# Altium PCB WatchX_TEST.PcbDoc
Units mil, origin at the board's own origin, x right, y up, seen from the top; angles counter-clockwise.
Board outline 3543.31 x 2254 mil, 2 copper layers (Top Layer, Bottom Layer); 112 components, 87 nets, 403 pads, 76 vias.
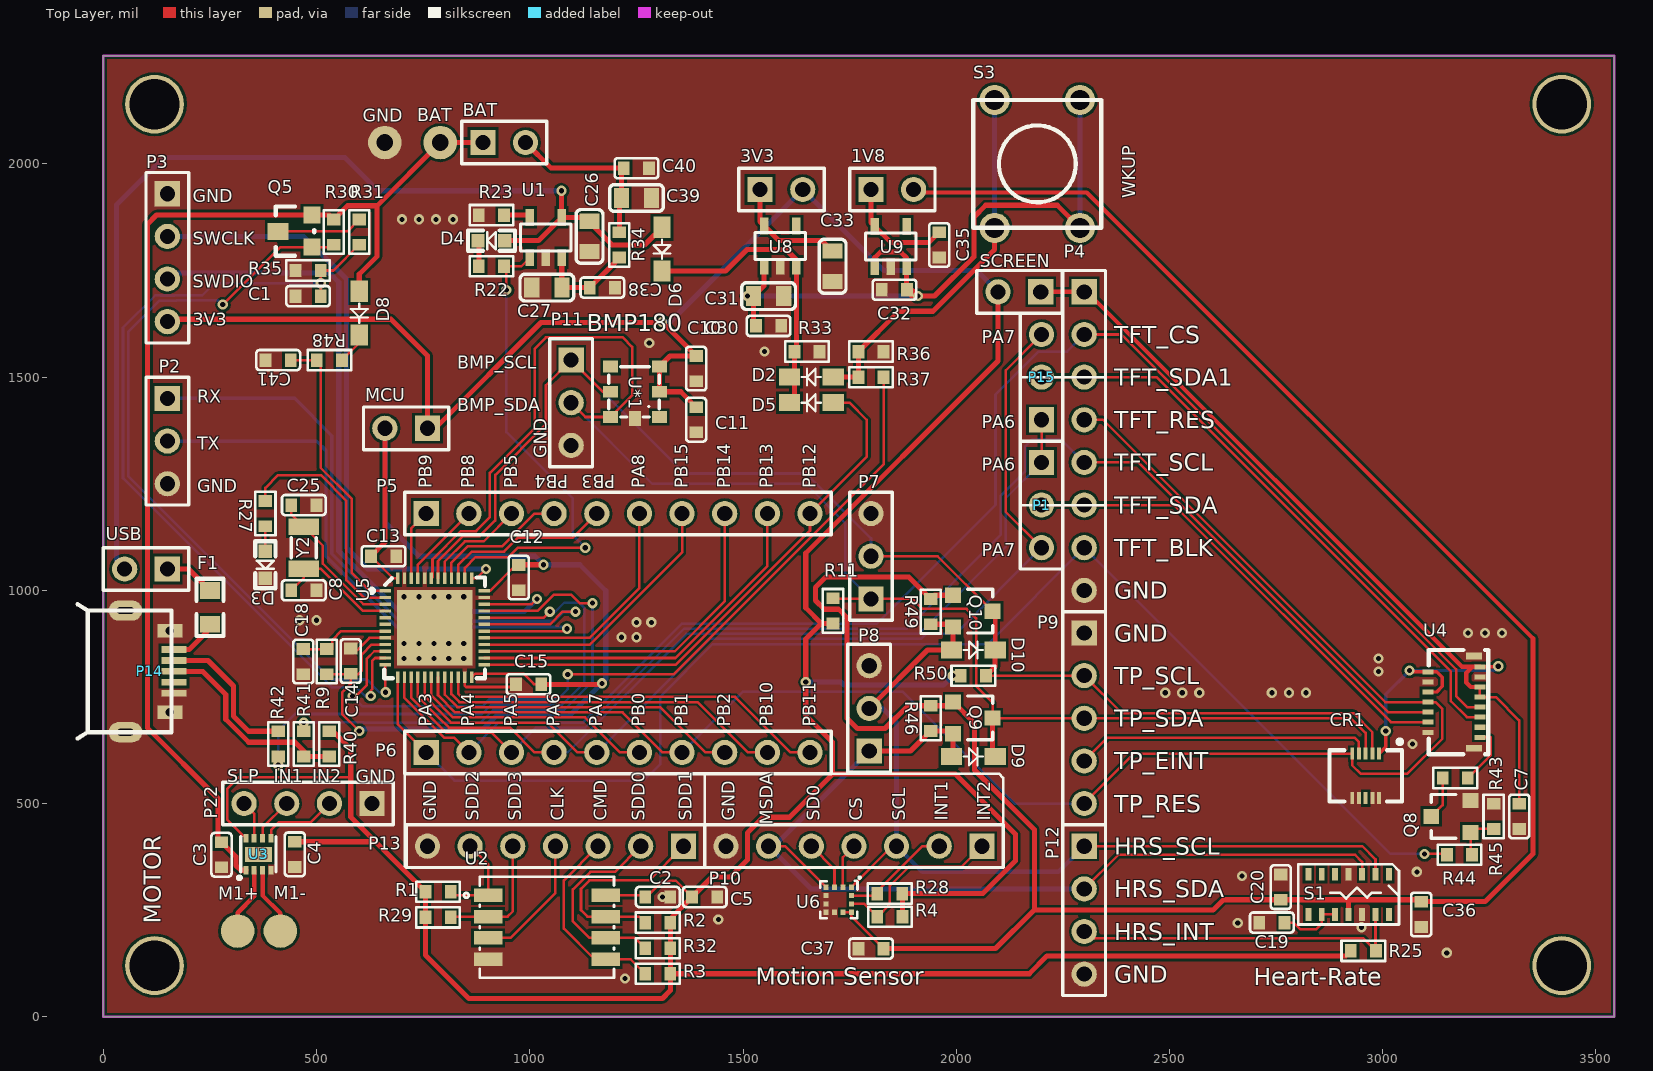
[diagram p0: Top Layer view]
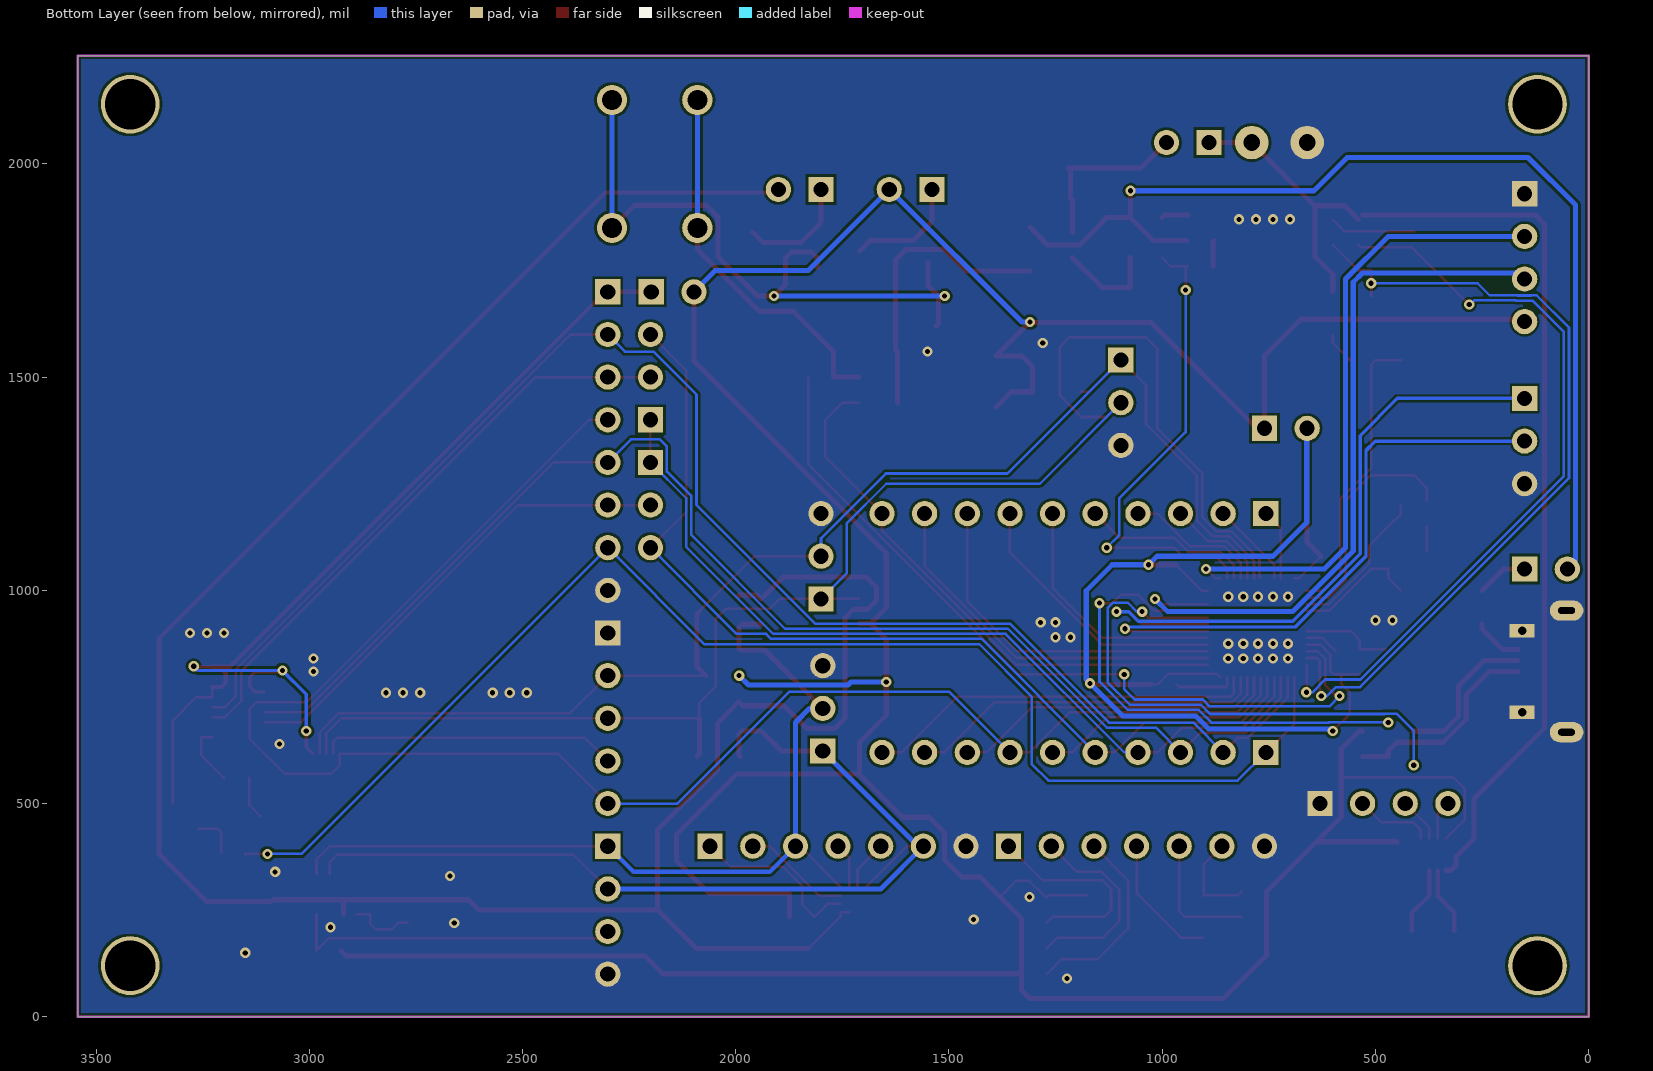
[diagram p1: Bottom Layer view, seen from below]
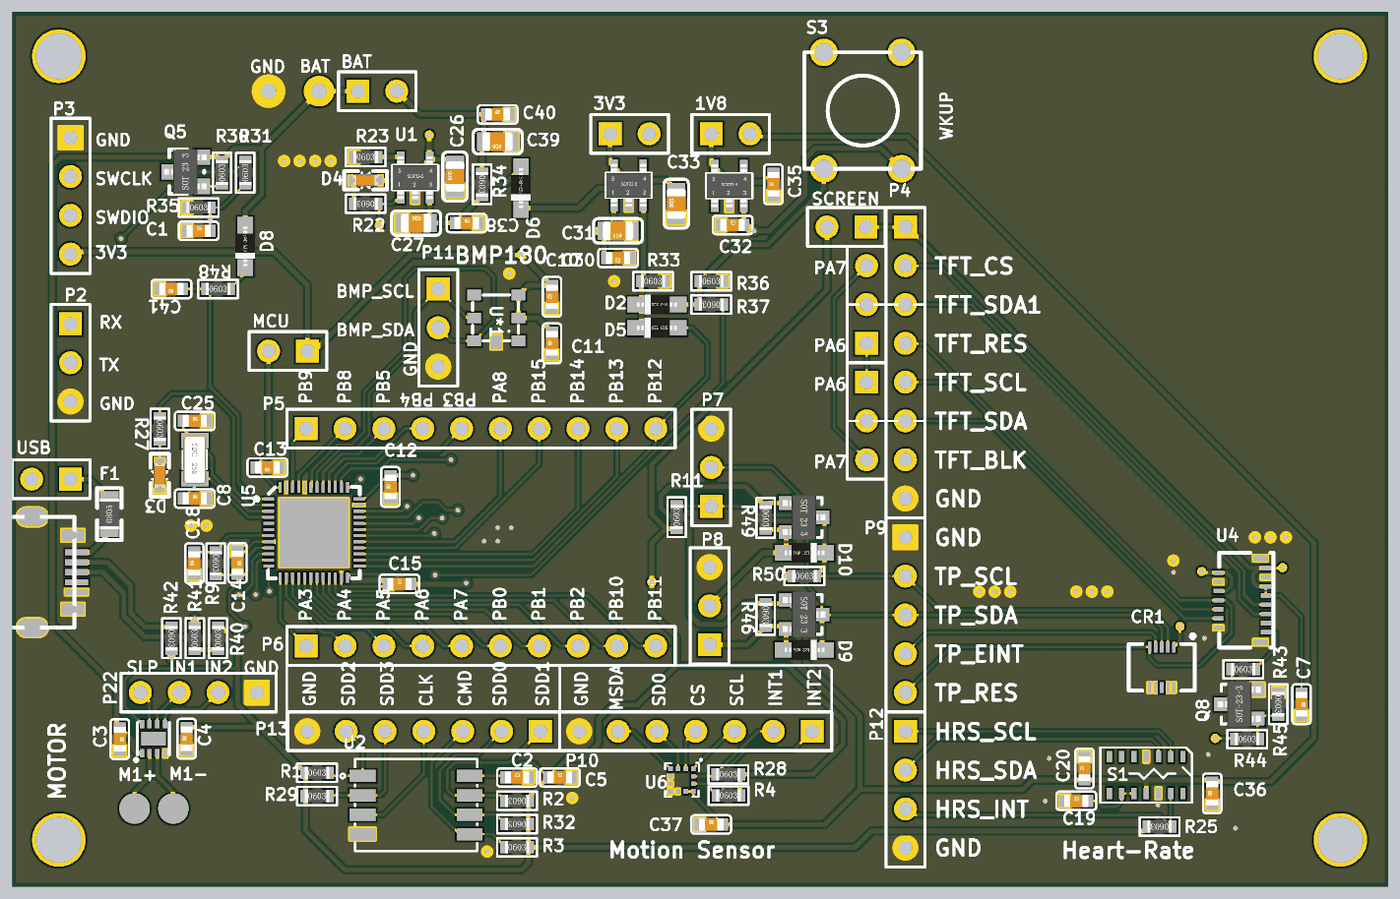
[diagram p2: 3D render of the assembled board from above, using the file's embedded part models]

## Layer stack, top to bottom
Top Solder: solder mask 0.4, Solder Resist, Dk 3.5
Top Layer: signal copper 1.4
Dielectric 1: dielectric 12.6, FR-4, Dk 4.8
Bottom Layer: signal copper 1.4
Bottom Solder: solder mask 0.4, Solder Resist, Dk 3.5

## Board outline
0,0 3543.31,0 3543.31,2254 0,2254

## Design rules (kind name [scope] priority, off if disabled: settings)
Clearance [All] p1: gap=6
ComponentClearance [All] p1 off: gap=10 collisioncheckmode=3 verticalgap=10 showdistances=FALSE
HoleSize [All] p1 off: absolutevalues=TRUE maxlimit=100 minlimit=1 maxpercent=80.000 minpercent=20.000
HoleToHoleClearance [All] p1 off: gap=10 allowstackedmicrovias=TRUE
LayerPairs [All] p1 off: enforce=TRUE
MinimumSolderMaskSliver [All] p1 off: minsoldermaskwidth=10
NetAntennae [All] p1 off: netantennaetolerance=0
PlaneConnect [All] p1: planeconnectstyle=Direct reliefexpansion=20 reliefentries=4 reliefconductorwidth=10 reliefairgap=10
PolygonConnect [All] p1: connectstyle=Direct reliefconductorwidth=10 reliefentries=4 polygonreliefangle="90 Angle" airgapwidth=10
RoutingVias [All] p1: holewidth=12 width=24 viastyle="Through Hole" minholewidth=12 minwidth=24 maxholewidth=12 maxwidth=24
SilkToSilkClearance [All] p1 off: silktosilkclearance=10
SilkToSolderMaskClearance [IsPad] p1 off: minsilkscreentomaskgap=10 clearancetoexposedcopper=TRUE
SolderMaskExpansion [All] p1: expansion=4
Width [All] p1: maxlimit=200 minlimit=6 preferedwidth=10
21 further rules are at their usual default settings.

## Components (designator, comment, footprint, x,y, rotation, side; value= is the part's Value field where it differs from the comment)
1V8 "Header 2" HDR1X2 1800,1940 r0 top (schematic designator P17)
3V3 "Header 2" HDR1X2 1540,1940 r0 top (schematic designator P16)
BAT "BAT" Pad_A 790,2050 r180 top (schematic designator Pad6)
BAT "Header 2" HDR1X2 890,2050 r0 top (schematic designator P19)
C1 "103" 电容_C0603 480,1690 r0 top
C2 "104" 电容_C0603 1300,281 r0 top
C3 "0.1uF" 电容_C0603 277,380 r270 top
C4 "0.1uF" 电容_C0603 449,381 r90 top
C5 "103" 电容_C0603 1410,281 r0 top
C7 "105" 电容_C0603 3320,470 r270 top
C8 "22pf" 电容_C0603 470,1000 r0 top
C10 "4.7uf" 电容_C0603 1390,1520 r90 top
C11 "104" 电容_C0603 1390,1400 r90 top
C12 "1uF" 电容_C0603 974,1030 r90 top
C13 "1uF" 电容_C0603 657,1080 r180 top
C14 "1uF" 电容_C0603 580,834 r270 top
C15 "1uF" 电容_C0603 997,780 r0 top
C18 "104" 电容_C0603 469,833 r90 top
C19 "104" 电容_C0603 2740,221 r0 top
C20 "105" 电容_C0603 2761,304 r90 top
C25 "22pf" 电容_C0603 470,1200 r0 top
C26 "4.7UF" 电容_C0805 1140,1830 r90 top
C27 "4.7UF" 电容_C0805 1040,1710 r0 top
C30 "104" 电容_C0603 1560,1620 r180 top
C31 "106" 电容_C0805 1560,1690 r180 top
C32 "105" 电容_C0603 1855,1705 r0 top
C33 "106" 电容_C0805 1710,1760 r90 top
C35 "105" 电容_C0603 1960,1810 r90 top
C36 "105" 电容_C0603 3090,240 r90 top
C37 "105" 电容_C0603 1800,160 r0 top
C38 "104" 电容_C0603 1170,1710 r0 top
C39 "106" 电容_C0805 1250,1920 r180 top
C40 "104" 电容_C0603 1250,1990 r0 top
C41 "104" 电容_C0603 410,1540 r180 top
CR1 "CR10P" "CONN RCPT 10POS 0.4MM" 2950,555 r180 top
D2 "1N4148" 二极管_SOD-323 1660,1500 r180 top
D3 "red" LED_0603 380,1060 r270 top
D4 "red" LED_0603 910,1820 r180 top
D5 "1N4148" 二极管_SOD-323 1660,1440 r180 top
D6 "1N4148" 二极管_SOD-323 1310,1800 r270 top
D8 "1N4148" 二极管_SOD-323 600,1650 r270 top
D9 "1N5819" 二极管_SOD-323 2040,610 r0 top
D10 "1N5819" 二极管_SOD-323 2040,860 r0 top
F1 "Fuse 1A，30V" 电阻_R0805 250,960 r90 top
GND "GND" Pad_A 660,2050 r180 top (schematic designator Pad1)
M1+ "M1-OUT1" Pad_B 315,201 r0 top
M1- "M1-OUT2" Pad_B 415,201 r0 top
MCU "Header 2" HDR1X2 760,1380 r180 top (schematic designator P18)
P1 "Header 3" HDR1X3 2200,1300 r270 top
P2 "Header 3" HDR1X3 150,1450 r270 top
P3 "Header 4" HDR1X4 150,1930 r270 top
P4 "Header 8" HDR1X8 2300,1700 r270 top
P5 "Header 10" HDR1X10 757,1180 r0 top
P6 "Header 10" HDR1X10 757,620 r0 top
P7 "Header 3" HDR1X3 1800,980 r90 top
P8 "Header 3" HDR1X3 1795.84,623.28 r90 top
P9 "Header 5" HDR1X5 2300,900 r270 top
P10 "Header 7" HDR1X7 2060,400 r180 top
P11 "Header 3" HDR1X3 1097,1540 r270 top
P12 "Header 4" HDR1X4 2300,400 r270 top
P13 "Header 7" HDR1X7 1360,400 r180 top
P14 "MICRO USB" "接插件_MICRO 牛角插座 USB 卷边" 160,810 r90 top
P15 "Header 3" HDR1X3 2200,1400 r90 top
P22 "Header 4" HDR1X4 630,500 r180 top
Q5 "MOSFET-P" SOT23 490,1800 r90 top
Q8 "S8050" 三极管_SOT-23 3160,470 r90 top
Q9 "SI2302" MOS_SOT-23 2038.9,701.1 r270 top
Q10 "SI2302" MOS_SOT-23 2038.9,951.1 r270 top
R1 "10K" 电阻_R0603 785,293 r0 top
R2 "10K" 电阻_R0603 1300,221 r180 top
R3 "10K" 电阻_R0603 1300,101 r0 top
R4 "4.7K" 电阻_R0603 1844.33,234.49 r0 top
R9 "10K" 电阻_R0603 524,833 r270 top
R11 "4.7K" 电阻_R0603 1711,952 r90 top
R22 "470R" 电阻_R0603 910,1760 r180 top
R23 "2K" 电阻_R0603 910,1880 r0 top
R25 "4.7K" 电阻_R0603 2954.49,154.49 r180 top
R27 "1K" 电阻_R0603 380,1180 r270 top
R28 "4.7K" 电阻_R0603 1844,289 r0 top
R29 "10K" 电阻_R0603 785,233 r0 top
R30 "20k" 电阻_R0603 540,1840 r90 top
R31 "20k" 电阻_R0603 600,1840 r90 top
R32 "10K" 电阻_R0603 1300,161 r180 top
R33 "300k" 电阻_R0603 1650,1560 r0 top
R34 "0.15R" 电阻_R0603 1210,1810 r270 top
R35 "40k" 电阻_R0603 480,1750 r0 top
R36 "30k" 电阻_R0603 1800,1560 r0 top
R37 "30k" 电阻_R0603 1800,1500 r180 top
R40 "1.5K" 电阻_R0603 530,640 r90 top
R41 "4.7K" 电阻_R0603 470,640 r90 top
R42 "4.7K" 电阻_R0603 410,640 r270 top
R43 "10R" 电阻_R0603 3170,560 r0 top
R44 "1K" 电阻_R0603 3180,380 r0 top
R45 "10K" 电阻_R0603 3260,470 r270 top
R46 "10K" 电阻_R0603 1940,700 r270 top
R48 "10k" 电阻_R0603 530,1540 r0 top
R49 "10K" 电阻_R0603 1940,950 r270 top
R50 "10K" 电阻_R0603 2040,800 r0 top
S1 "MAX30102" MAX30102 3014.49,334.49 r270 top
S3 "SW-PB" KEY_8*8mm 2190,1950 r0 top
SCREEN "Header 2" HDR1X2 2198,1700 r180 top (schematic designator P21)
U1 "MCP73831" SOT23-5 1000,1780 r0 top
U2 "SD" LGA-8_6*8mm2 1040,210 r0 top
U3 "DRV883x" WSON-8_2*2 364,381 r90 top
U4 "TFT" FPC-0.30mm-15P 3167,738 r90 top
U5 "AT32F403CGU6" AT主控_QFN48(6X6) 776.84,912.28 r0 top
U6 "LIS2DS12" LGA-12_L2.0-W2.0-P0.50-BL 1724.33,274.49 r180 top
U8 "LP5907-3.3" SOT23-5 1550,1760 r0 top
U9 "LP5907-1.8" SOT23-5 1808.9,1758.9 r0 top
U*1 "BMP180" LGA-7 1106.8,1367.16 r270 top
USB "Header 2" HDR1X2 150,1050 r180 top (schematic designator P20)
Y2 "32.768K" 晶振_3215 470,1100 r270 top

## Footprints (in the part's own frame and the unit in brackets; to place one, negate y for a bottom-side part, rotate by r counter-clockwise, add the part's x,y. Pads: shape width x height; smd on the part's side, far side on the other; paste and mask are expansions set on the pad)
AT主控_QFN48(6X6) [mm]
  rect 4.5x4.5 smd: 0(0,0)
  rect 0.7x0.2 smd: 1(-2.95,2.2) 2(-2.95,1.8) 3(-2.95,1.4) 4(-2.95,1) 5(-2.95,0.6) 6(-2.95,0.2) 7(-2.95,-0.2) 8(-2.95,-0.6) 9(-2.95,-1) 10(-2.95,-1.4) 11(-2.95,-1.8) 12(-2.95,-2.2) 25(2.95,-2.2) 26(2.95,-1.8) 27(2.95,-1.4) 28(2.95,-1) 29(2.95,-0.6) 30(2.95,-0.2) 31(2.95,0.2) 32(2.95,0.6) 33(2.95,1) 34(2.95,1.4) 35(2.95,1.8) 36(2.95,2.2)
  rect 0.2x0.7 smd: 13(-2.2,-2.95) 14(-1.8,-2.95) 15(-1.4,-2.95) 16(-1,-2.95) 17(-0.6,-2.95) 18(-0.2,-2.95) 19(0.2,-2.95) 20(0.6,-2.95) 21(1,-2.95) 22(1.4,-2.95) 23(1.8,-2.95) 24(2.2,-2.95) 37(2.2,2.95) 38(1.8,2.95) 39(1.4,2.95) 40(1,2.95) 41(0.6,2.95) 42(0.2,2.95) 43(-0.2,2.95) 44(-0.6,2.95) 45(-1,2.95) 46(-1.4,2.95) 47(-1.8,2.95) 48(-2.2,2.95)
  silkscreen extent -3.87,-3 3,3
"CONN RCPT 10POS 0.4MM" [mm] "板对板连接器"
  rect 0.23x0.7 smd: 1(-1.054,-1.579) 2(-0.654,-1.579) 3(-0.254,-1.579) 4(0.146,-1.579) 5(0.546,-1.579) 6(0.546,1.071) 7(0.146,1.071) 8(-0.254,1.071) 9(-0.654,1.071) 10(-1.054,1.071)
  silkscreen extent -2.41,-2.41 1.9,1.27
FPC-0.30mm-15P [mm] "FPC翻盖式 下接"
  rect 0.3x0.65 smd: 1(-2.1,-1.55) 2(-1.8,1.55) 3(-1.5,-1.55) 4(-1.2,1.55) 5(-0.9,-1.55) 6(-0.6,1.55) 7(-0.3,-1.55) 8(0,1.55) 9(0.3,-1.55) 10(0.6,1.55) 11(0.9,-1.55) 12(1.2,1.55) 13(1.5,-1.55) 14(1.8,1.55) 15(2.1,-1.55)
  rect 0.4x0.95 smd: 16(-2.75,-1.2) 17(2.75,-1.2)
  silkscreen extent -3.1,-2.05 3.1,1.5
HDR1X2 [mm] "Connector; Header; 2 Position"
  rect 1.5x1.5 hole 0.9: 1(0,0)
  round 1.5 hole 0.9: 2(2.54,0)
  silkscreen extent -1.27,-1.27 3.81,1.27
HDR1X3 [mm] "Connector; Header; 3 Position"
  rect 1.5x1.5 hole 0.9: 1(0,0)
  round 1.5 hole 0.9: 2(2.54,0) 3(5.08,0)
  silkscreen extent -1.27,-1.27 6.35,1.27
HDR1X4 [mm] "Connector; Header; 4 Position"
  rect 1.5x1.5 hole 0.9: 1(0,0)
  round 1.5 hole 0.9: 2(2.54,0) 3(5.08,0) 4(7.62,0)
  silkscreen extent -1.27,-1.27 8.89,1.27
HDR1X5 [mm] "Connector; Header; 5 Position"
  rect 1.5x1.5 hole 0.9: 1(0,0)
  round 1.5 hole 0.9: 2(2.54,0) 3(5.08,0) 4(7.62,0) 5(10.16,0)
  silkscreen extent -1.27,-1.27 11.43,1.27
HDR1X7 [mm] "Connector; Header; 7 Position"
  rect 1.5x1.5 hole 0.9: 1(0,0)
  round 1.5 hole 0.9: 2(2.54,0) 3(5.08,0) 4(7.62,0) 5(10.16,0) 6(12.7,0) 7(15.24,0)
  silkscreen extent -1.27,-1.27 16.51,1.27
HDR1X8 [mm] "Connector; Header; 8 Position"
  rect 1.5x1.5 hole 0.9: 1(0,0)
  round 1.5 hole 0.9: 2(2.54,0) 3(5.08,0) 4(7.62,0) 5(10.16,0) 6(12.7,0) 7(15.24,0) 8(17.78,0)
  silkscreen extent -1.27,-1.27 19.05,1.27
HDR1X10 [mm] "Connector; Header; 10 Position"
  rect 1.5x1.5 hole 0.9: 1(0,0)
  round 1.5 hole 0.9: 2(2.54,0) 3(5.08,0) 4(7.62,0) 5(10.16,0) 6(12.7,0) 7(15.24,0) 8(17.78,0) 9(20.32,0) 10(22.86,0)
  silkscreen extent -1.27,-1.27 24.13,1.27
KEY_8*8mm [mm]
  round 1.8 hole 1.2: 1(2.54,-2.54) 1(2.54,5.08) 2(-2.54,-2.54) 2(-2.54,5.08)
  silkscreen extent -3.81,-2.54 3.81,5.08
LED_0603 [mm]
  rect 0.8x0.8 smd paste-0.1: A(-0.8,0) K(0.8,0)
  silkscreen extent -1.4,-0.6 1.4,0.6, body extent -0.8,-0.4 0.82,0.4, height 0.6
LGA-7 [mm] "LGA-7Pin"
  rect 0.7x0.9 smd: 1(-1,5) 2(-2.5,5) 3(-4,5) 4(-4,2.1) 5(-2.5,2.1) 6(-1,2.1)
  rect 0.9x0.7 smd: 7(-0.9,3.55)
  silkscreen extent -4,2 -1,5
LGA-8_6*8mm2 [mm]
  rect 1.7x0.8 smd: 1(-3.5,1.905) 2(-3.5,0.635) 3(-3.5,-0.635) 4(-3.5,-1.905) 5(3.5,-1.905) 6(3.5,-0.635) 7(3.5,0.635) 8(3.5,1.905)
  silkscreen extent -4.94,-3 4,3
LGA-12_L2.0-W2.0-P0.50-BL [mm]
  rect 0.3x0.33 smd: 1(-0.75,-0.75) 2(-0.25,-0.75) 3(0.25,-0.75) 4(0.75,-0.75) 7(0.75,0.75) 8(0.25,0.75) 9(-0.25,0.75) 10(-0.75,0.75)
  rect 0.3x0.3 smd: 5(0.75,-0.25) 6(0.75,0.25) 11(-0.75,0.25) 12(-0.75,-0.25)
  silkscreen extent -1.3,-1.38 1.09,1.09
MAX30102 [mm] "血氧浓度传感器"
  rect 0.75x0.35 smd: 1(0,0) 2(0,-0.8) 3(0,-1.6) 4(0,-2.4) 5(0,-3.2) 6(0,-4) 7(0,-4.8) 8(2.4,-4.8) 9(2.4,-4) 10(2.4,-3.2) 11(2.4,-2.4) 12(2.4,-1.6) 13(2.4,-0.8) 14(2.4,0)
  silkscreen extent -0.6,-5.4 3,0.6
MOS_SOT-23 [mm]
  rect 0.9x0.95 smd: 1(-0.95,-1.175) 2(0,1.175) 3(0.95,-1.175)
  silkscreen extent -1.3,-0.3 1.3,1.18, body extent -1.45,-1.4 1.45,1.4, height 1.2
Pad_A [mm]
  round 2 hole 1: 1(0,0)
Pad_B [mm]
  round 2 smd: 1(0,0)
SOT23 [mil]
  rect 40x40 smd: 1(4.88,0.63) 3(79.88,0.63)
  rect 40x50 smd: 2(41.88,80.63)
  silkscreen extent -15,-4 100,86, body extent -15,-11 99,99, height 47
SOT23-5 [mm]
  rect 0.5x1 smd: 1(0,0) 2(0.95,0) 3(1.9,0) 4(1.9,2.4) 5(0,2.4)
  silkscreen extent -0.55,0.4 2.45,2, body extent -0.5,-0.2 2.4,2.6, height 1.09
WSON-8_2*2 [mil]
  rect 20.5x11.5 smd: 1(-37.4,29.5) 2(-37.4,10.5) 3(-37.4,-9.5) 4(-37.4,-29.5) 5(37.4,-29.5) 6(37.4,-9.5) 7(37.4,10.5) 8(37.4,29.5)
  rect 35.5x63.5 smd: 9(0,0.5)
  silkscreen extent -58,-41 41,48
三极管_SOT-23 [mm]
  rect 0.9x0.95 smd: 1(-0.95,-1.175) 2(0,1.175) 3(0.95,-1.175)
  silkscreen extent -1.3,-0.3 1.3,1.18, body extent -1.45,-1.4 1.45,1.4, height 1.2
二极管_SOD-323 [mil]
  rect 50x40 smd: A(-51.18,0) K(51.18,0)
  silkscreen extent -23,-20 23,20, body extent -51,-26 51,26, height 39
"接插件_MICRO 牛角插座 USB 卷边" [mm]
  oval 1.2x2 hole 0.4 slot 1 at 90 deg: 0(-3.625,2.75) 0(3.625,2.75)
  rect 0.8x1.5 hole 0.5: 0(-2.425,0.1) 0(2.425,0.1)
  rect 0.4x1.5 smd: 1(1.3,-0.15) 2(0.65,-0.15) 3(0,-0.15) 4(-0.65,-0.15) 5(-1.3,-0.15)
  silkscreen extent -4,0 4,5.6
晶振_3215 [mm] "XTAL SMD 3.2 x 1.5 mm"
  rect 1x1.8 smd: 1(-1.25,0) 2(1.25,0)
  silkscreen extent -0.6,-0.75 0.6,0.75, body extent -1.6,-0.75 1.6,0.75, height 0.81
电容_C0603 [mm]
  rect 0.7x0.8 smd: 1(-0.75,0) 2(0.75,0)
  silkscreen extent -1.3,-0.6 1.3,0.6, body extent -0.8,-0.4 0.8,0.4, height 0.3
电容_C0805 [mm]
  rect 0.9x1.2 smd: 1(-0.9,0) 2(0.9,0)
  silkscreen extent -1.6,-0.8 1.6,0.8, body extent -1,-0.62 1,0.63, height 0.77
电阻_R0603 [mm]
  rect 0.7x0.8 smd: 1(-0.75,0) 2(0.75,0)
  silkscreen extent -1.3,-0.6 1.3,0.6, body extent -0.8,-0.4 0.8,0.4, height 0.45
电阻_R0805 [mm]
  rect 1x1.2 smd: 1(-1,0) 2(1,0)
  silkscreen extent -1.7,-0.8 1.7,0.8, body extent -1,-0.63 1,0.63, height 0.55

## Part data
1V8 3V3 BAT MCU SCREEN USB: "Header, 2-Pin"
BAT GND M1+ M1-: library part Pad
C1 C2 C3 C4 C5 C7 C8 C10 C11 C12 C13 C14 C15 C18 C19 C20 C25 C26 C27 C30 C31 C32 C33 C35 C36 C37 C38 C39 C40 C41: library part cap
CR1: library part "CONN RCPT 10P", "板对板连接器"
D2 D5 D6 D8 D9 D10: library part Diode
D3 D4: library part LED
F1: library part "Fuse 1", "Fuse"
P1 P2 P7 P8 P11 P15: "Header, 3-Pin"
P3 P12 P22: "Header, 4-Pin"
P4: "Header, 8-Pin"
P5 P6: "Header, 10-Pin"
P9: "Header, 5-Pin"
P10 P13: "Header, 7-Pin"
P14: library part "MICRO USB 5PIN"
Q5: "P-Channel MOSFET"
Q8: library part Triode-NPN
Q9 Q10: library part MOSFET-N
R1 R2 R3 R4 R9 R11 R22 R23 R25 R27 R28 R29 R30 R31 R32 R33 R34 R35 R36 R37 R40 R41 R42 R43 R44 R45 R46 R48 R49 R50: library part Res
S1: "血氧浓度传感器"
S3: "按键"
U1: "线性充电管理控制器"
U2: library part SDNAND
U4: library part TFT_IPS1-1.54寸240*240-AML015410V1, "IPS电容式触摸屏"
U6: "运动传感器"
U8 U9: library part LP5907, "LDO"
U*1: "数字气压传感器"
Y2: library part XTAL_A

## Free pads (board coordinates)
  round 137.8 hole 118.11: 2(120,2140) 3(3420,2140) 4(3420,120) 5(120,120)

## Via types
v1: diameter 24, hole 12, Top Layer to Bottom Layer, tented both sides, 46 vias
v2: diameter 24, hole 12, Top Layer to Bottom Layer, 30 vias

## Nets (pads, with @x,y where several pads share a name; then routed paths per layer and width w, separated by ;. In a path a pad name is that pad's centre, name@x,y a point inside that pad or via, vN(x,y) a via of type N, cw(c..) or ccw(c..) an arc to the next point about the centre after c; other vN are vias at no path point)
1.8V: 1V8.2 C20.1 C36.2 C37.2 Q9.1 Q10.1 R46.1 R49.1 S1.11 U6.9 U6.10 | length 5744.8
  Top Layer w6: U6.9 U6.10 1753.86,235.67 C37.2
  Top Layer w10: 1V8.2 1907,1933 2306,1933 3352,887
  Top Layer w12: C37.2 2092,160 2182,250 2602,250 2626.47,274.47 C20.1 2920,274.47 ; Q10.1 1948.98,988.5 R49.1 1888.53,1031 1694,1031 1670,1007 1670,976.03 1690.28,955.75 1724.25,955.75 1744,936 1744,700 1768,676 1833,676 1886.53,729.53 R46.1 1983.66,729.53 Q9.1 2043,688.14 2043,579 2183,439 2183,254 ; S1.11 2920,274.47 ; 3352,887 3352,382 3240,270 3089.53,270 3085.06,274.47 2920,274.47
3V3: 3V3.2 C2.1 C4.2 C5.1 C10.2 C11.2 MCU.1 P3.4 R1.1 R2.1 R3.2 R4.2 R11.1 R25.2 R28.2 R29.1 R32.1 R40.2 R50.1 SCREEN.2 U2.8 U3.8 U*1.2 U*1.3 | length 9972.6
  Top Layer w6: U3.8 290,462.9 290,534 318,562 577,562 580,565 ; U2.8 1266.47,285 C2.1 1274,281 1312,319 1342.47,319 C5.1
  Top Layer w12: P3.4 150,1635.82 674.18,1635.82 760,1550 MCU.1 778,1380 1026,1628 1311.53,1628 C10.2 1328.54,1549.53 U*1.3 U*1.2 1353.94,1465.58 C11.2 ; C4.2 637.94,410.53 ; R40.2 538.47,669.53 580,628 580,565 580,468.47 637.94,410.53 ; R11.1 1683.53,922.47 ; R4.2 1873.53,234.82 R28.2 2062,289 2139,366 2139,428 1998,569 1710,569 ; SCREEN.2 2098,1538 1647,1087 1647,959 1683.53,922.47 ; R25.2 2913.47,143 2213,143 2171,101 R3.2 ; 637.94,410.53 R1.1 R29.1 755.47,144.53 857,43 1311,43 1329.53,61.53 R3.2 ; R3.2 R32.1 R2.1 1329.53,230.06 C5.1 1427.47,328 1470,328 1510,368 1510,431 1547,468 1609,468 1710,569 ; 1683.53,922.47 1647,885.94 1647,707 1710,644 1710,569
  Bottom Layer w12: v2(1310,1629) 1329,1629 3V3.2 1830,1750 2048,1750 SCREEN.2 ; v2(1647,785) 1730,785 1737,778 1970,778 v2(1992,800)
ASCL: CR1.2 D10.K P7.2 P9.2 P11.1 Q10.2 R50.2 U5.42 U*1.5 | length 3217.6
  Top Layer w6: U5.42 784.72,1068.69 843.03,1127 882,1127 918.47,1163.47 918.47,1196.49 919,1197.01 919,1271 1038,1390 1038,1481 P11.1 1171.42,1465.58 U*1.5 ; P7.2 1956.26,1080 Q10.2 ; R50.2 P9.2 2388,712 2930.97,712 2975.75,667.22 CR1.2
  Top Layer w10: Q10.2 2091.18,945.08 D10.K
  Top Layer w12: R50.2 2091.18,821.65 D10.K
  Bottom Layer w6: P11.1 1363,1274 1648,1274 1800,1122 P7.2
ASDA: CR1.3 D9.K P7.1 P9.3 P11.2 Q9.2 R11.2 U5.43 U*1.6 | length 3798.2
  Top Layer w6: U5.43 771.78,1031.24 771.78,1072.72 838.06,1139 874,1139 906.47,1171.47 906.47,1275.44 1012,1380.97 1012,1567 1038,1593 1218,1593 1240,1571 1240,1457.06 U*1.6 1130.47,1406.53 P11.2 ; R11.2 1712.53,980 P7.1 1897.27,980 1920.52,956.75 2024.25,956.75 2046.75,934.25 2046.75,775.25 2085.16,736.84 Q9.2 2086.26,700 P9.3 2926,700 2960,666 CR1.3
  Top Layer w12: Q9.2 2085.16,616.02 D9.K
  Bottom Layer w6: P11.2 1287,1250 1647,1250 1740,1157 1740,1040 P7.1
BAT: BAT.1 C3.1 D8.A Q5.3 R30.2 U3.1 | length 2696
  Top Layer w12: U3.1 322.4,343.6 311,355 311,375.53 C3.1 269,417.53 269,512 103.1,677.9 103.1,1858.1 124.88,1879.88 Q5.3 R30.2@529.65,1879.88 ; R30.2 572.47,1902 642,1902 ; D8.A 600,1741.18 642,1783.18 642,1902 ; BAT.1@890,2050 790,2050 642,1902
BAT_CHG: R22.1 U1.1 U5.38 | length 1133.8
  Top Layer w6: U5.38 847.71,1052.71 873,1078 950.22,1078 972.22,1100 v1(1130,1100) ; v2(945,1704) 945,1754.53 R22.1 980,1760 U1.1
  Bottom Layer w6: v2(945,1704) 945,1371 1101,1215 1101,1129 v1(1130,1100)
BAT_DET: C1.2 R31.1 R35.2 U5.11 | length 1945.7
  Top Layer w6: C1.2 R35.2 539.53,1750 R31.1 ; v1(627,752) 627,765 630,768 630,834 637.42,841.42 U5.11
  Bottom Layer w6: v1(510,1720) 260,1720 232,1692 166.49,1692 165.96,1691.47 134.04,1691.47 133.51,1692 122,1692 46,1616 46,1263.03 536.03,773 592.7,773 613.7,752 v1(627,752)
BAT_DET_EN: Q5.1 R30.1 U5.12 | length 1793
  Top Layer w6: v1(280,1670) 414.88,1804.88 Q5.1 534.41,1804.88 R30.1 ; U5.12 660.7,762.3 v1(662,761)
  Bottom Layer w6: v1@280,1668 268,1680 171.46,1680 170.93,1679.47 131.47,1679.47 58,1606 58,1268 535,791 617.7,791 647.7,761 v1(662,761)
BSCL: D10.A P8.2 P10.3 P12.1 Q10.3 R49.2 S1.2 U6.1 | length 2094.2
  Top Layer w6: U6.1 1849.84,400 P10.3 ; P12.1 2952,400 2982.99,369.01 S1.2
  Top Layer w12: P8.2 1932.56,860 D10.A 1992.64,863.82 Q10.3 1985.87,920.47 R49.2
  Bottom Layer w10: P10.3 1920,340 2240,340 P12.1
  Bottom Layer w12: P8.2 1826.72,723.28 1860,690 P10.3
BSDA: D9.A P8.1 P10.6 P12.2 Q9.3 R46.2 S1.3 U6.4 | length 2279.2
  Top Layer w6: P10.6 1598.82,400 U6.4 ; P12.2 2380,380 2935,380 2951.5,363.5 S1.3
  Top Layer w12: P8.1 1892.81,623.28 R46.2 1985.87,670.47 Q9.3 1992.64,613.82 D9.A
  Bottom Layer w12: P8.1 1572.56,400 P10.6 1660,300 P12.2
GND: C1.1 C2.2 C3.2 C4.1 C5.2 C7.2 C8.2 C10.1 C11.1 C12.1 C13.1 C14.1 C15.1 C18.1 C19.1 C20.2 C25.2 C26.1 C27.1 C30.1 C31.1 C32.1 C33.1 C35.1 C36.1 C37.1 C38.2 C39.1 C40.2 C41.2 CR1.6 CR1.7 CR1.9 CR1.10 D3.K GND.1 P2.3 P3.1 P4.8 P7.3 P8.3 P9.1 P10.7 P11.3 P12.4 P13.7 P14.0 P14.5 P22.1 Q8.3 R23.1 R33.2 R35.1 R36.2 R45.1 S1.4 S1.12 U1.2 U2.4 U3.4 U4.2 U4.12 U4.13 U4.16 U4.17 U5.0 U5.8 U5.23 U5.35 U5.44 U5.47 U6.5 U6.6 U6.7 U6.8 U8.2 U9.2 U*1.7 | length 223.6
  Top Layer w6: C14.1@593.28,858.25 623.69,888.66 U5.8 ; U5.23 847.71,776.29 850.64,773.36 960.83,773.36 C15.1
  other v1: 3150,150 2950,210 2660,220 2670,330 3080,340 3070,640 2990,810 705,840 740,840 775,840 810,840 845,840 705,875 740,875 775,875 810,875 845,875 1215,890 1250,890 1250,925 1285,925 705,985 740,985 775,985 810,985 845,985
  other v2: 1223,90 1442,228 1311,281 2490,760 2530,760 2570,760 2740,760 2780,760 2820,760 2990,840 3200,900 3240,900 3280,900 460,930 500,930 1550,1560 1280,1580 700,1870 740,1870 780,1870 820,1870
HRS_INT: P12.3 R25.1 S1.13 | length 785.9
  Top Layer w6: P12.3 2316,184 2954.5,184 2982.99,155.51 S1.13
KEY1: R37.1 U5.10 | length 1871.9
  Top Layer w6: v1(584,752) 592,752 618,778 618,840 635.17,857.17 U5.10 ; v1(1089,803) 1336.91,803 1829.53,1295.62 R37.1
  Bottom Layer w6: v1(584,752) 608,728 888.63,728 904.63,744 1064.7,744 1089,768.3 v1(1089,803)
LED: R27.1 U5.2 | length 551.4
  Top Layer w6: R27.1 380,1240 410,1270 510,1270 570,1210 570,1023.94 610.79,983.15 U5.2
LIS_CS: P10.4 U6.2 | length 106.7
  Top Layer w6: U6.2 1734.17,374.17 P10.4
LIS_INT1: P10.2 R28.1 U6.12 | length 254.1
  Top Layer w6: U6.12 1804.64,284.33 1814.8,294.49 1920.31,400 P10.2
LIS_INT2: P10.1 R4.1 U6.11 | length 412.4
  Top Layer w6: U6.11 1784.65,264.64 R4.1 1844,263.68 1844,306.71 1889.14,351.86 2011.86,351.86 P10.1
LIS_SD0: P10.5 U6.3 | length 118.6
  Top Layer w6: P10.5 1714.49,345.51 U6.3
M1-IN1: P22.3 U3.6 | length 105
  Top Layer w6: U3.6 373.5,443.5 P22.3
M1-IN2: P22.2 U3.5 | length 182.1
  Top Layer w6: U3.5 393.5,438.5 411,456 486,456 P22.2
M1-SLP: P22.4 U3.7 | length 91.3
  Top Layer w6: P22.4 353.5,476.5 U3.7
MCU_RX: P2.1 U5.31 | length 1571
  Top Layer w6: U5.31 1046.86,920.16 1076.7,950 v1(1107,950)
  Bottom Layer w8: P2.1 449,1450 536,1363 536,1085.92 693.92,928 1056.11,928 1078.11,950 v1(1107,950)
MCU_TX: P2.2 U5.30 | length 1437.8
  Top Layer w6: U5.30 1081.41,904.41 v1(1087,910)
  Bottom Layer w8: P2.2@173,1350 500,1350 522,1328 522,1080.12 688.12,914 1083,914 v1(1087,910)
MCU_VCC: C12.2 C13.2 C14.2 C15.2 MCU.2 R9.2 U5.9 U5.24 U5.36 U5.48 | length 2850.8
  Top Layer w6: R9.2@536.84,802.76 C14.2@580,802.76 ; C14.2 C14.2@580,802.76 ; v1(600,670) 560,710 560,760 580,780 C14.2@580,802.76 ; C13.2 679.05,1028.43 U5.48 ; U5.9 628.91,872.91 606,850 606,811.91 596.84,802.76 C14.2@580,802.76 ; U5.24 872.06,804.75 984.98,804.75 1009.73,780 C15.2 ; U5.36 906.37,998.9 C12.2@967,1059.53
  Top Layer w12: C13.2 660,1112.53 MCU.2 ; C12.2@967,1059.53 967.47,1060 v1(1032,1060) ; C15.2 1027.53,779 1166,779 v1(1169,782)
  Bottom Layer w12: v1@605,675 890.79,675 920.79,705 1092,705 v1(1169,782) 1178,791 1178,999 1117,1060 v1(1032,1060) 1012,1080 740,1080 661,1159 MCU.2@661,1380
NetC19_2: C19.2 S1.9 S1.10 | length 153
  Top Layer w6: C19.2 2791,221 2807,205 2844,205 2857.01,218.01 S1.9 S1.10
NetC27_2: C27.2 C38.1 R34.2 U1.3 | length 234.6
  Top Layer w12: U1.3 1074.8,1710.63 C27.2 C38.1 1210,1779.53 R34.2
NetC33_2: 3V3.1 C33.2 U8.5 | length 274.1
  Top Layer w12: 3V3.1 1540,1864.49 U8.5 1584.49,1820 1685.43,1820 C33.2
NetC35_2: 1V8.1 C35.2 U9.5 | length 266.6
  Top Layer w12: 1V8.1 1800,1862.28 U9.5 1846.28,1816 1936.47,1816 C35.2
NetC39_2: BAT.2 C39.2 C40.1 R34.1 | length 410.1
  Top Layer w12: BAT.2 1050,1990 C40.1 1214.57,1984.09 C39.2 1210,1915.43 R34.1
NetD2_A: D2.A R36.1 R37.2 S3.2 | length 888.8
  Top Layer w12: D2.A R37.2 R36.1 1864.85,1654.38 1945.38,1654.38 2090,1799 S3.2@2090,1850
  Bottom Layer w12: S3.2@2090,1850 S3.2@2090,2150
NetD2_K: D2.K D5.K D6.K R33.1 U8.3 | length 696.7
  Top Layer w12: D6.K 1458.82,1748.82 1509.52,1799.52 1600.48,1799.52 1625.15,1774.85 U8.3@1625.15,1756 ; D5.K@1620.47,1440 R33.1 1625.15,1564.68 1625.15,1767.45 U8.3@1623.7,1768.9
NetD3_A: D3.A R27.2 | length 59
  Top Layer w6: D3.A R27.2
NetD4_K: D4.K R22.2 | length 60.8
  Top Layer w12: D4.K 880.47,1818.03 R22.2
NetD8_K: D8.K R48.2 | length 75.6
  Top Layer w6: R48.2 600,1580.47 D8.K
NetF1_1: F1.1 P14.1 | length 114.9
  Top Layer w12: P14.1 201.18,861.18 250,910 F1.1
NetF1_2: F1.2 USB.1 | length 121
  Top Layer w12: USB.1 199.37,1050 F1.2
NetM1+_1: M1+.1 U3.2 | length 158.5
  Top Layer w10: M1+.1 315,244 353.5,282.5 U3.2
NetM1-_1: M1-.1 U3.3 | length 159.8
  Top Layer w10: U3.3 373.5,284.5 415,243 M1-.1
NetP14_2: P14.2 R42.1 | length 354.5
  Top Layer w12: P14.2 245.41,835.59 305,776 305,705 340.47,669.53 R42.1
NetP14_3: P14.3 R40.1 R41.1 | length 488.3
  Top Layer w12: P14.3 233,810 287,756 287,697.54 340.8,643.75 449.28,643.75 470,623.03 R41.1 R40.1
NetQ5_2: Q5.2 R31.2 | length 202.1
  Top Layer w6: Q5.2 572.35,1841.88 R31.2
NetQ8_1: Q8.1 R44.2 R45.2 | length 101.7
  Top Layer w6: R44.2@3206.26,383.27 Q8.1 ; Q8.1@3209.53,435.87 3214.13,440.47 R45.2
NetQ8_2: Q8.2 R43.1 | length 101.1
  Top Layer w6: Q8.2 3140.47,496.73 R43.1
NetR23_2: R23.2 U1.5 | length 62.8
  Top Layer w12: R23.2 994.49,1880 U1.5
OSC32_IN: C25.1 U5.3 Y2.1 | length 353.8
  Top Layer w6: C25.1 440.47,1178.74 Y2.1 514.43,1104.78 514.43,1062.54 609.57,967.4 U5.3
OSC32_OUT: C8.1 U5.4 Y2.2 | length 294.8
  Top Layer w6: C8.1 470,1029.53 Y2.2 509.21,1050.79 608.35,951.65 U5.4
OSC_IN: U5.5
OSC_OUT: U5.6
PA3: P4.7 P6.1 R44.1 U5.13 | length 3241.6
  Top Layer w6: U5.13 690.23,686.77 P6.1 ; v2(3098,382) 3148.47,382 R44.1
  Bottom Layer w6: P6.1 823,554 1267,554 1306,593 1306,751 1429,874 2074,874 P4.7 3018,382 v2(3098,382)
PA4: P4.2 P6.2 U4.7 U5.14 | length 3579.5
  Top Layer w6: U5.14 705.98,748.05 800.03,654 823,654 P6.2 ; P4.2 2386.97,1600 3172,814.97 3172,752 3197.81,726.19 U4.7
  Bottom Layer w6: P6.2 927,690 1125,690 1357,922 1813.78,922 2092,1200.22 2092,1459 2193,1560 2260,1560 P4.2
PA5: P4.5 P6.3 U4.6 U5.15 | length 3141.5
  Top Layer w6: U5.15 721.72,749.28 805,666 911,666 P6.3 ; P4.5 2426.97,1300 3012.59,714.38 U4.6
  Bottom Layer w6: P6.3 1015,678 1129.97,678 1361.97,910 1884,910 2104,1130 2104,1220.97 2161.47,1278.44 2161.47,1337.47 2178,1354 2246,1354 P4.5
PA6: P1.1 P6.4 P15.1 U5.16 | length 2010.7
  Top Layer w6: U5.16 737.47,750.53 788,700 788.06,700 810.06,678 953.49,678 1011.49,620 P6.4 ; P1.1 P15.1
  Bottom Layer w6: P6.4 1088.94,620 1366.94,898 1912,898 2116,1102 2116,1216 P1.1
PA7: P1.3 P6.5 P15.3 U5.17 | length 2314.2
  Top Layer w6: U5.17 753.22,751.75 792.97,712 793.03,712 815.03,690 1041.49,690 1111.49,620 P6.5 ; P1.3 2116,1184 2116,1516 P15.3
  Bottom Layer w6: P6.5 1423,886 1916.97,886 1928.97,898 1998,898 P1.3
PA8: P5.6 U5.29 | length 586.6
  Top Layer w6: U5.29 1139.66,888.66 1257,1006 P5.6
PB0: P6.6 U5.18 | length 586.2
  Top Layer w6: U5.18 768.97,753.03 820,702 1129.49,702 1211.49,620 P6.6
PB1: CR1.5 P4.4 P6.7 P9.5 U4.8 U5.19 | length 3929
  Top Layer w6: U5.19 784.72,754.25 824.97,714 1217.49,714 1311.49,620 P6.7 ; P9.5 2417.16,617.16 CR1.5 2928.51,589.49 2948,570 3058,570 3140,652 3140,722 3124,738 U4.8 3005.94,738 2343.94,1400 P4.4
  Bottom Layer w6: P6.7 1498.81,761.81 1875,761.81 2136.81,500 P9.5
PB2: P6.8 U5.20 | length 753.3
  Top Layer w6: U5.20 800.46,755.48 829.94,726 1305.49,726 1411.49,620 P6.8
PB3: P5.5 U5.39 | length 405.7
  Top Layer w6: U5.39 831.96,1058.96 864,1091 939.46,1091 971.46,1123 1100,1123 P5.5
PB4: P5.4 U5.40 | length 325.1
  Top Layer w6: U5.40 816.21,1065.21 854,1103 934.49,1103 1011.49,1180 P5.4
PB5: P5.3 U5.41 | length 242.2
  Top Layer w6: U5.41 800.46,1067.46 848,1115 892,1115 P5.3
PB8: P5.2 U5.45 | length 201.1
  Top Layer w6: U5.45 737.47,1060.47 P5.2
PB9: P5.1 U5.46 | length 166.2
  Top Layer w6: U5.46 721.72,1144.72 P5.1
PB10: P6.9 U5.21 | length 836.8
  Top Layer w6: U5.21 816.21,756.82 835.03,738 1393.49,738 1511.49,620 P6.9
PB11: P6.10 U5.22 | length 920.3
  Top Layer w6: U5.22 831.96,758.04 840,750 1481.49,750 1611.49,620 P6.10
PB12: D5.A P5.10 U5.25 | length 1304.7
  Top Layer w6: U5.25 1342.61,825.67 1657,1140.06 P5.10 1790,1313 1790,1400 1750,1440 D5.A
PB13: P5.9 U5.26 | length 876.3
  Top Layer w6: U5.26 1341.39,841.42 1557,1057.03 P5.9
PB14: P5.8 U5.27 | length 818.4
  Top Layer w6: U5.27 1340.17,857.17 1457,974 P5.8
PB15: P5.7 U5.28 | length 644.5
  Top Layer w6: U5.28 1140.88,872.91 1357,1089.03 P5.7
RST: C18.2 R9.1 U5.7 | length 214.4
  Top Layer w6: C18.2@476.84,861.81 536.84,861.81 536.84,883.84 557.41,904.41 U5.7
SCREEN_VCC: C7.1 CR1.1 P4.1 SCREEN.1 U4.9 U4.10 U4.11 U4.14 U4.15 | length 2431.5
  Top Layer w6: U4.11 U4.9 3265.19,749.81 3320,695 C7.1
  Top Layer w8: CR1.1 3007,632.66 v2(3007,670) ; v2(3063,812) 3066.13,808.87 U4.14 3127.13,808.87 3140,796 3140,775 3126.62,761.62 U4.10 ; U4.15 3269.68,820.68 v2(3271,822)
  Top Layer w10: SCREEN.1 P4.1 2306.77,1700 3186.09,820.68 3210.68,820.68 ; U4.11 3206.57,773.43 3196,784 3196,806 3210.68,820.68 ; U4.15 3210.68,820.68
  Bottom Layer w8: v2(3007,670) 3007,756 v2(3063,812) 3261,812 v2(3271,822)
SD_CLK: P13.4 U2.3 | length 311.3
  Top Layer w6: U2.3 955,185 1060,290 P13.4
SD_CMD: P13.3 R3.1 U2.5 | length 460.5
  Top Layer w6: P13.3 1080,320 1080,207 1152,135 U2.5 1236.47,135 R3.1
SD_SDD0: P13.2 R32.2 U2.6 | length 471.4
  Top Layer w6: P13.2 1200,340 1142,340 1101,299 1101,224 1140,185 U2.6 1246.47,185 R32.2
SD_SDD1: P13.1 R2.2 U2.7 | length 493.9
  Top Layer w6: R2.2 1256.47,235 U2.7 1135,235 1120,250 1120,300 1140,320 1280,320 P13.1
SD_SDD2: P13.6 R1.2 U2.1 | length 223.5
  Top Layer w6: R1.2 822.53,285 U2.1 902.21,357.79 P13.6
SD_SDD3: P13.5 R29.2 U2.2 | length 304.3
  Top Layer w6: R29.2 816.53,235 U2.2 948,235 960,247 P13.5
SWCLK: P3.2 U5.37 | length 1481.6
  Top Layer w6: U5.37 875.43,1028.43 v1(897,1050)
  Bottom Layer w12: P3.2 470,1830 570,1730 570,1100 620,1050 v1(897,1050)
SWDIO: P3.3 U5.34 | length 1712.4
  Top Layer w6: U5.34 1004.4,967.4 v1(1017,980)
  Bottom Layer w12: P3.3 164,1744 530.54,1744 552,1722.54 552,1092.54 694.54,950 987,950 v1(1017,980)
TFT_LEDK: R43.2 U4.1 | length 143.4
  Top Layer w6: R43.2 3253.68,614.15 3253.68,655.32 U4.1
TFT_SDA: P1.2 P4.6 U4.4 | length 1116.9
  Top Layer w6: P1.2 P4.6 2510,1200 3019.24,690.76 U4.4
TFT_SDA1: P4.3 P15.2 U4.5 | length 1399.3
  Top Layer w6: P15.2 P4.3 2470,1500 3160,810 3160,740 3197.43,702.57 U4.5
TP_EINT: CR1.4 P9.4 | length 698.5
  Top Layer w6: P9.4 2354.76,654.76 2934,654.76 2944.26,644.5 CR1.4
USB_DM: R42.2 U5.32 | length 1275.4
  Top Layer w6: U5.32 1032.91,935.91 v1(1047,950)
  Bottom Layer w6: v1(410,590) 410,670 451,711 478.7,711 479.7,710 887.6,710 909.6,732 1076,732 1128,784 1128,958.7 1115.7,971 1080.73,971 1059.73,950 v1(1047,950)
USB_DP: R41.2 U5.33 | length 1179.8
  Top Layer w6: U5.33 1018.35,951.65 1056.7,990 1096.7,990 1116.7,970 v1(1147,970)
  Bottom Layer w6: v1(470,690) 471,691 608.7,691 609.7,690 884.57,690 914.57,720 1080.97,720 1147,786.03 v1(1147,970)
USB_VCC: C26.2 D4.A D6.A U1.4 USB.2 | length 2482.3
  Top Layer w12: D4.A 1020.31,1820 U1.4 ; v2(1074,1937) 1074,1875.29 U1.4 ; D6.A 1268.82,1810 1193.03,1810 1140,1863.03 C26.2 1130.94,1874.49 U1.4
  Bottom Layer w12: USB.2 31,1069 31,1904 142,2015 566,2015 644,1937 v2(1074,1937)
VBAT: C41.1 R48.1 U5.1 | length 689.7
  Top Layer w6: C41.1 R48.1@499.53,1540 ; R48.1 R48.1@499.53,1540 ; U5.1 625.1,998.9 582,1042 582,1214.97 509.53,1287.44 509.53,1530 R48.1@499.53,1540
VCC: C30.2 C31.2 C32.2 S3.1 U8.1 U9.1 U9.3 | length 1627.7
  Top Layer w12: C30.2 1524.57,1625.91 C31.2 1548.9,1714.33 U8.1@1548.9,1768.9 ; U9.1 1808.9,1779.9 1822,1793 1870,1793 1883.7,1779.3 U9.3 1883.7,1716.3 v1(1910,1690) ; C32.2@1895.43,1690 v1(1910,1690) ; S3.1@2290,1850 2237,1903 2069,1903 2041.3,1875.3 2041.3,1782.3 1949,1690 v1(1910,1690)
  Bottom Layer w12: v1(1510,1690) v1(1910,1690) ; S3.1@2290,1850 S3.1@2290,2150
pads on no net: CR1.8 P14.4 S1.1 S1.5 S1.6 S1.7 S1.8 S1.14 U3.9 U4.3 U8.4 U9.4 U*1.1 U*1.4

## Polygon pours and split planes (outlines as drawn)
GND on Top Layer "GND" (solid, pour order 0): 0,2254 0,0 3543.31,0 3543.31,2254
GND on Bottom Layer "GND" (solid, pour order 2): 0,2254 0,0 3543.31,0 3543.31,2254

## Keep-outs
Keep-Out Layer:
  the board outline again, w6

## Silkscreen, mask and mechanical layers (free items; w line width, h text height)
Top Overlay:
  lines w6: 707,353 707,570 ; 1410,450 1410,570 2100,570 2110,560 2110,450 ; 2150,1200 2350,1200 ; 2150,1500 2350,1500
  text "WKUP" at 2420,1920 h30 r90
  text "GND" at 210,1910 h30
  text "SWCLK" at 210,1810 h30
  text "SWDIO" at 210,1710 h30
  text "3V3" at 210,1620 h30
  text "BMP180" at 1134,1608 h40
  text "PA7" at 2060,1580 h30
  text "TFT_CS" at 2370,1580 h40
  text "BMP_SCL" at 830,1520 h30
  text "TFT_SDA1" at 2370,1480 h40
  text "RX" at 220,1440 h30
  text "BMP_SDA" at 830,1420 h30
  text "PA6" at 2060,1380 h30
  text "TFT_RES" at 2370,1380 h40
  text "TX" at 220,1330 h30
  text "GND" at 1040,1310 h30 r90
  text "PA6" at 2060,1280 h30
  text "TFT_SCL" at 2370,1280 h40
  text "PB4" at 1090,1270 h30 r180
  text "PB3" at 1200,1270 h30 r180
  text "PB9" at 770,1240 h30 r90
  text "PB8" at 870,1240 h30 r90
  text "PB5" at 970,1240 h30 r90
  text "PA8" at 1270,1240 h30 r90
  text "PB15" at 1370,1240 h30 r90
  text "PB14" at 1470,1240 h30 r90
  text "PB13" at 1570,1240 h30 r90
  text "PB12" at 1670,1240 h30 r90
  text "GND" at 220,1230 h30
  text "TFT_SDA" at 2370,1180 h40
  text "PA7" at 2060,1080 h30
  text "TFT_BLK" at 2370,1080 h40
  text "GND" at 2370,980 h40
  text "GND" at 2370,880 h40
  text "TP_SCL" at 2370,780 h40
  text "PA3" at 770,680 h30 r90
  text "PA4" at 870,680 h30 r90
  text "PA5" at 970,680 h30 r90
  text "PA6" at 1070,680 h30 r90
  text "PA7" at 1170,680 h30 r90
  text "PB0" at 1270,680 h30 r90
  text "PB1" at 1370,680 h30 r90
  text "PB2" at 1470,680 h30 r90
  text "PB10" at 1570,680 h30 r90
  text "PB11" at 1670,680 h30 r90
  text "TP_SDA" at 2370,680 h40
  text "TP_EINT" at 2370,580 h40
  text "SLP" at 290,550 h30
  text "IN1" at 400,550 h30
  text "IN2" at 490,550 h30
  text "GND" at 592,549 h30
  text "TP_RES" at 2370,480 h40
  text "GND" at 780,460 h30 r90
  text "SDD2" at 880,460 h30 r90
  text "SDD3" at 980,460 h30 r90
  text "CLK" at 1080,460 h30 r90
  text "CMD" at 1180,460 h30 r90
  text "SDD0" at 1270,460 h30 r90
  text "SDD1" at 1380,460 h30 r90
  text "GND" at 1480,460 h30 r90
  text "SD0" at 1680,460 h30 r90
  text "CS" at 1780,460 h30 r90
  text "SCL" at 1880,460 h30 r90
  text "INT1" at 1980,460 h30 r90
  text "INT2" at 2080,460 h30 r90
  text "MSDA" at 1570,450 h30 r90
  text "HRS_SCL" at 2370,380 h40
  text "HRS_SDA" at 2370,280 h40
  text "MOTOR" at 135,218 h40 r90
  text "HRS_INT" at 2370,180 h40
  text "GND" at 2370,80 h40
  text "Motion Sensor" at 1530,75 h40
  text "Heart-Rate" at 2697,74 h40
Mechanical 1:
  the board outline again, w6